# Altium PCB VOU_SOM_CV_V0.0.1.PcbDoc (part 1 of 5) (continued)
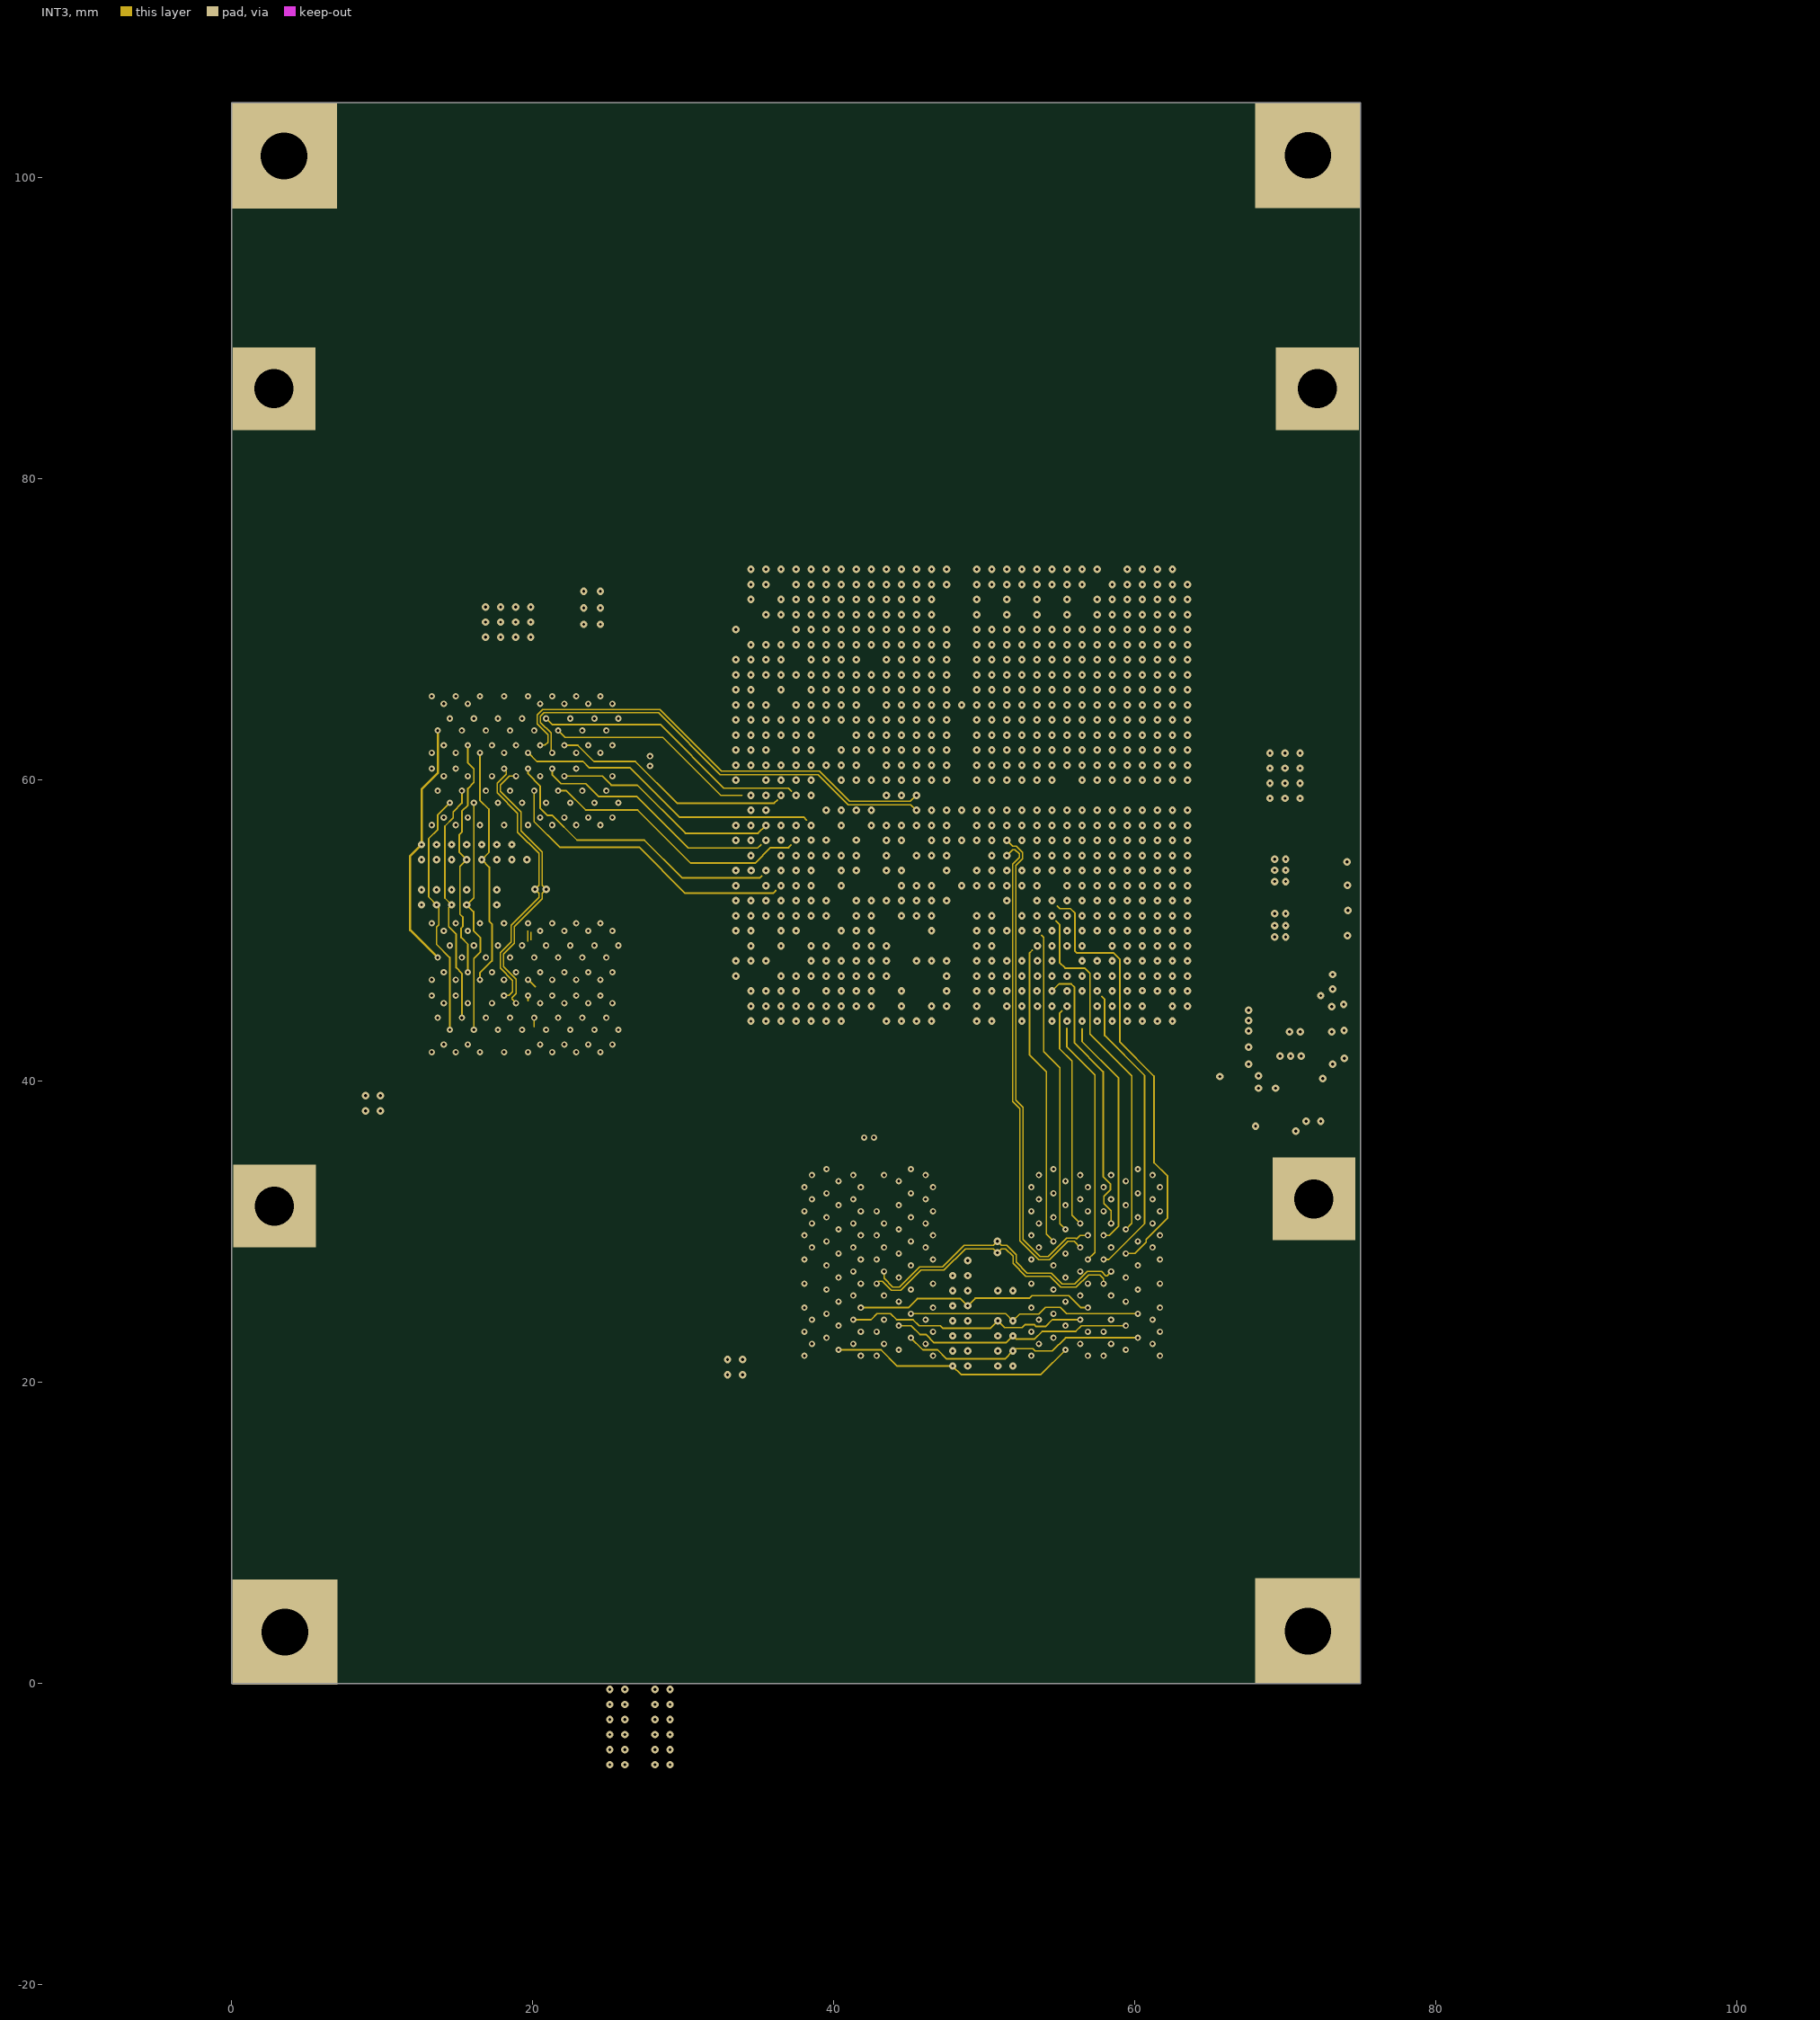
[diagram p4: INT3]
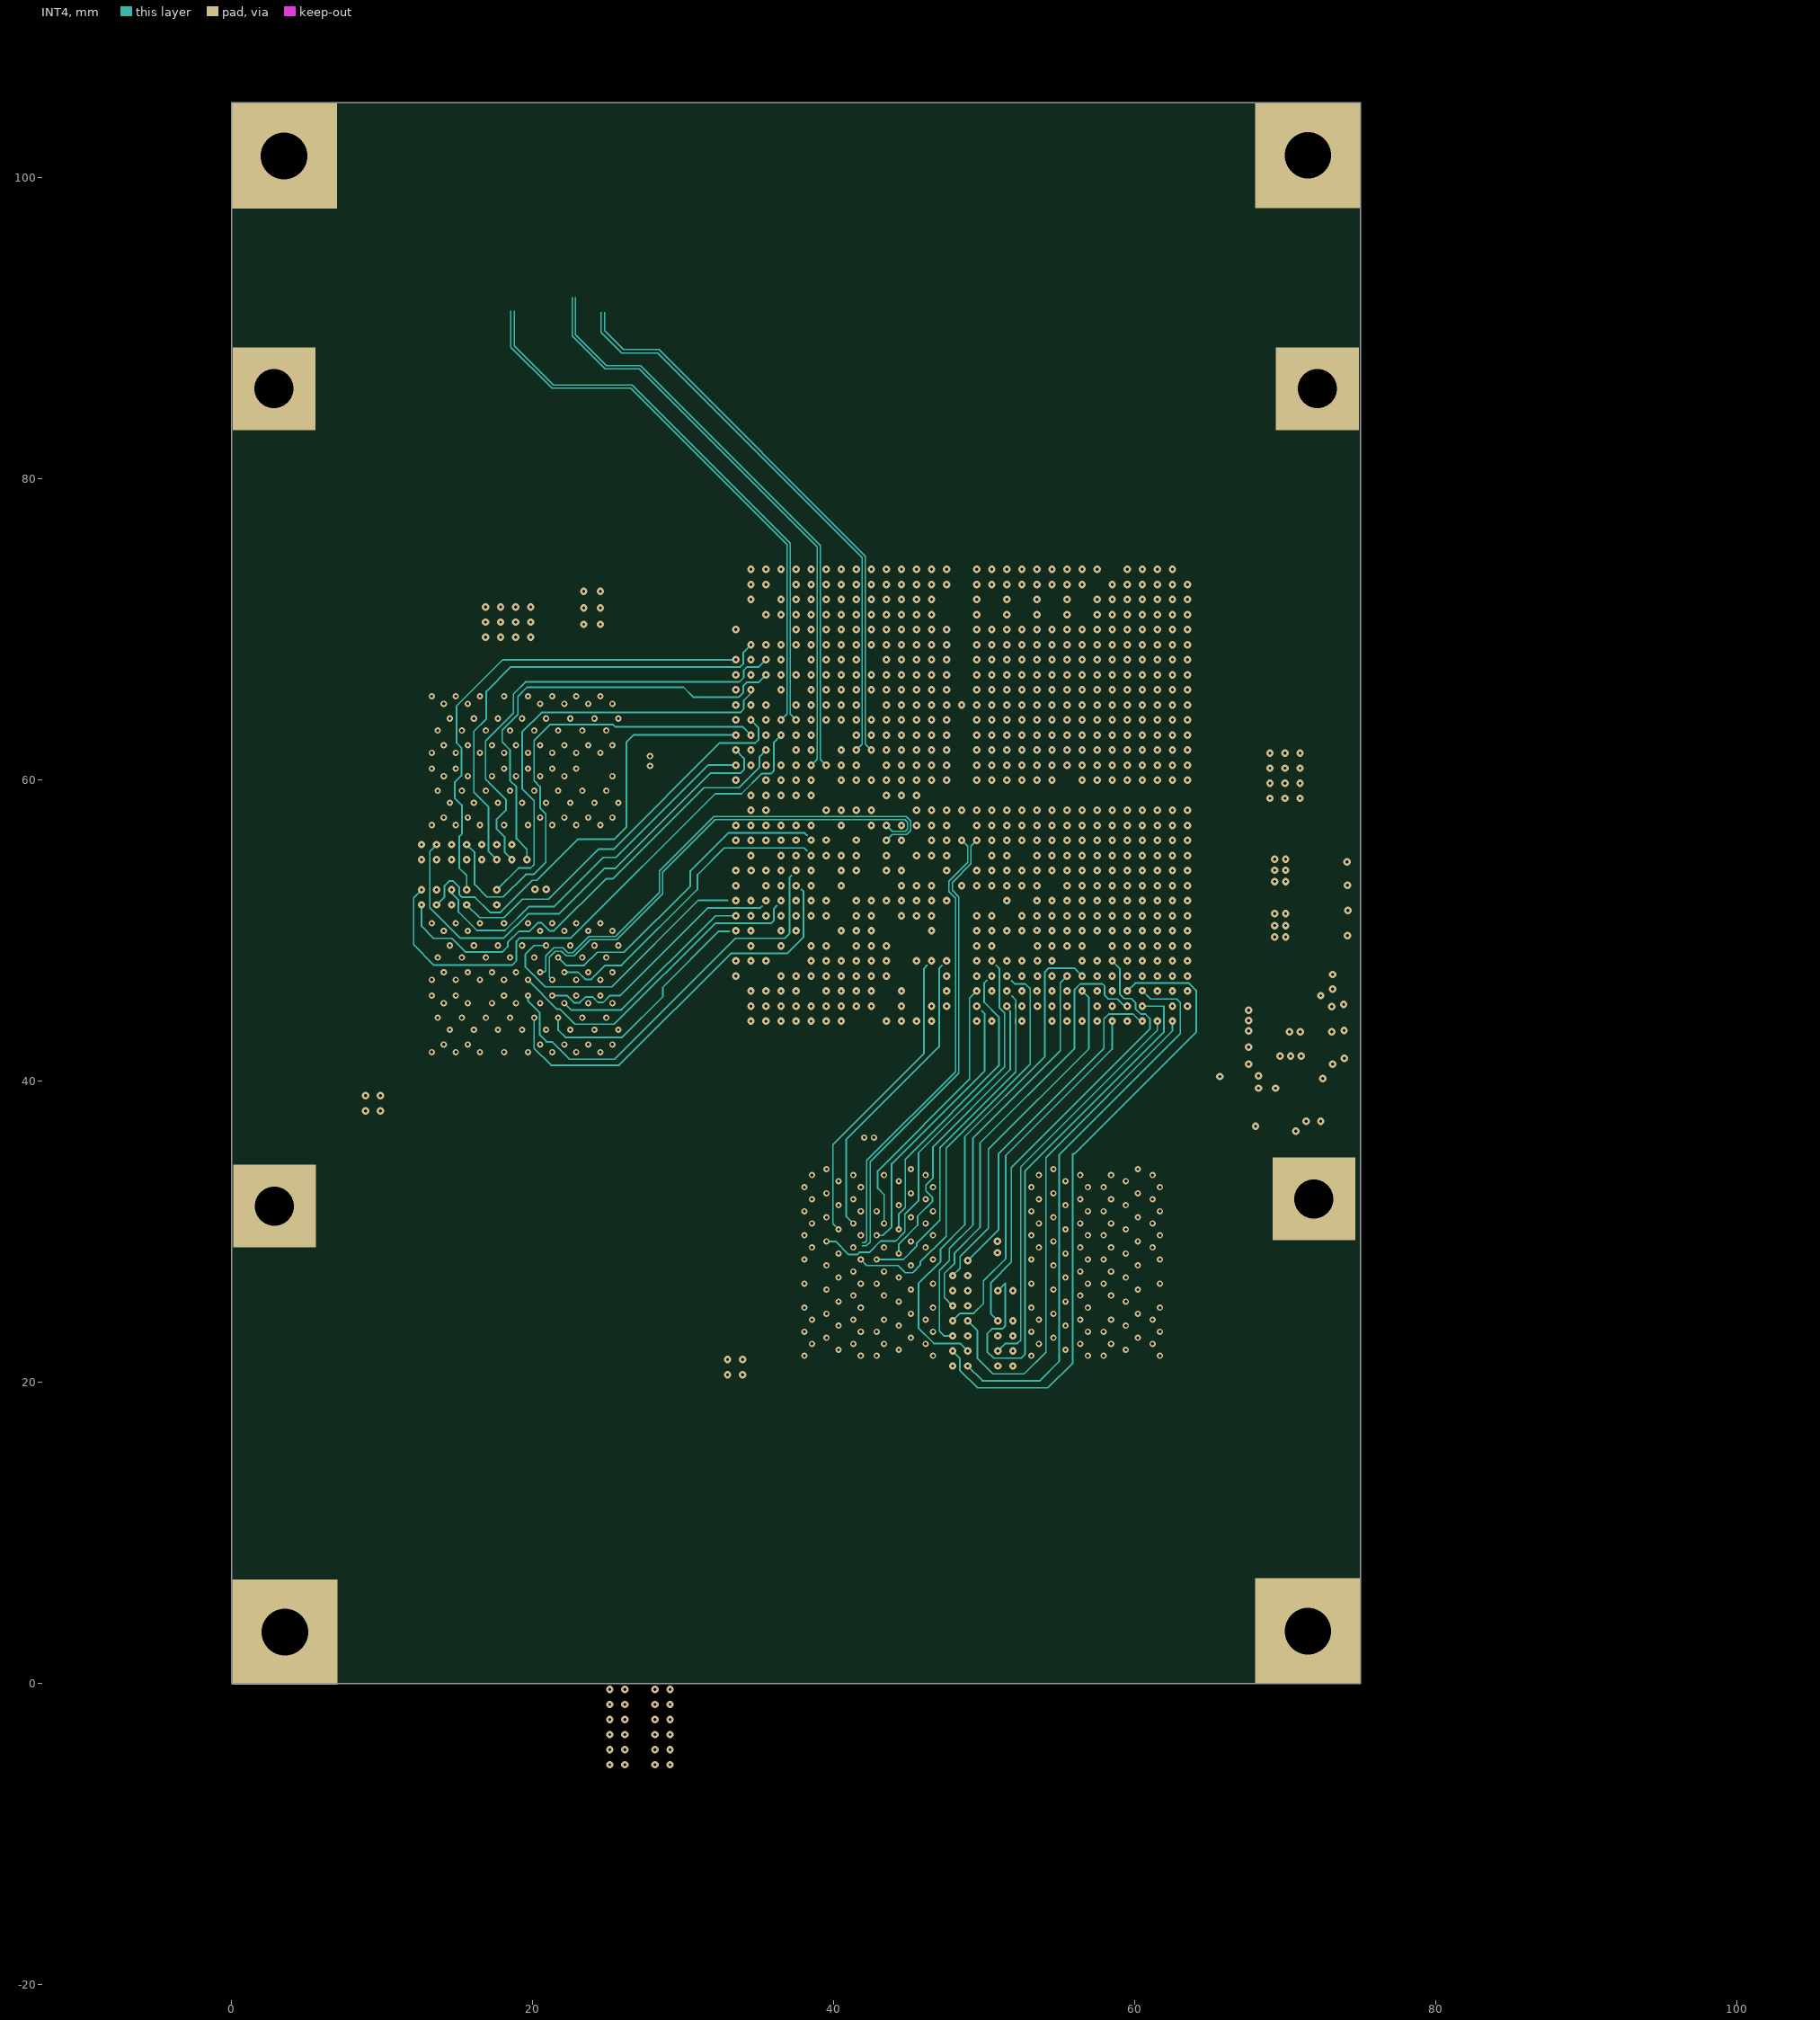
[diagram p5: INT4]
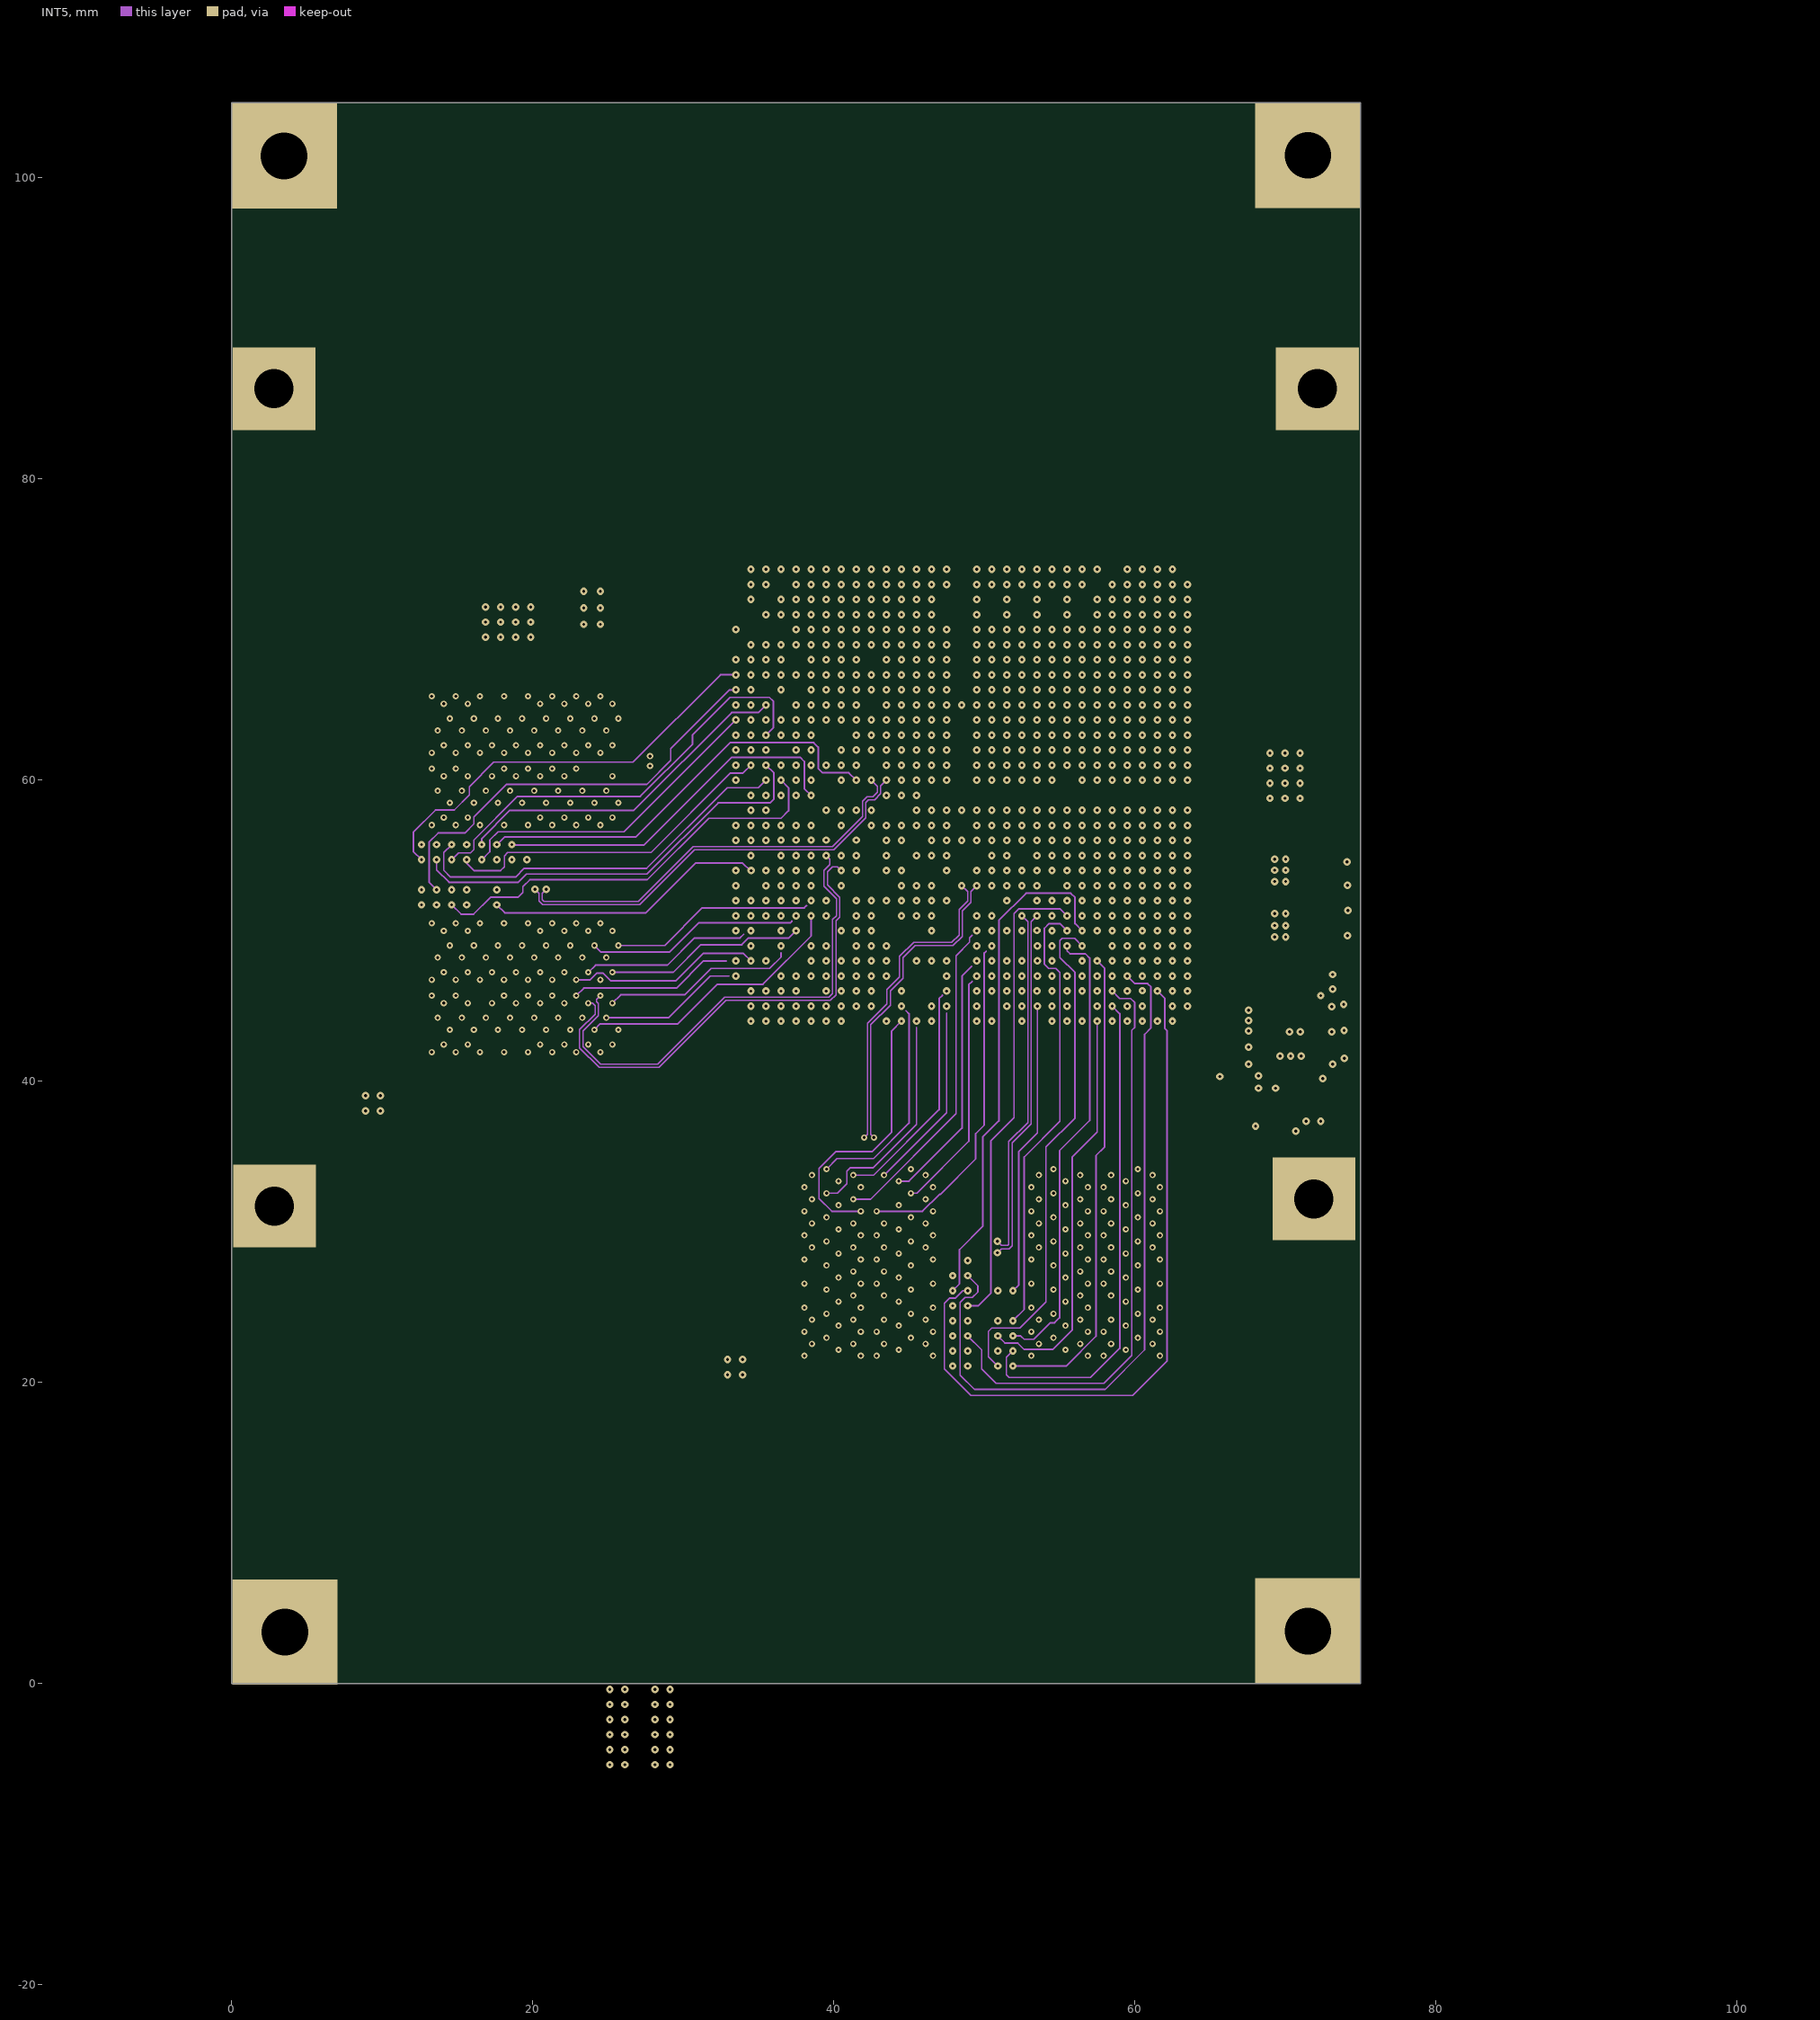
[diagram p6: INT5]

## Layer stack, top to bottom
Top Solder: solder mask 0.012, Solder Resist, Dk 3.5
Top Layer: signal copper 0.03
Dielectric 1: prepreg 0.12, FR-4, Dk 4.2
PWR1: signal copper 0.017
Dielectric 2: core 0.1, Dk 4.1
INT1: signal copper 0.017
Dielectric 3: prepreg 0.12, Dk 4.2
INT2: signal copper 0.017
Dielectric 4: core 0.1, Dk 4.1
INT3: signal copper 0.017
Dielectric 7: prepreg 0.127, Dk 4.2
INT4: signal copper 0.036
Dielectric 8: prepreg 0.127, Dk 4.2
INT5: signal copper 0.036
Dielectric 5: core 0.254, Dk 4.2
PWR2: signal copper 0.036
Dielectric 6: prepreg 0.127, Dk 4.2
Bottom Layer: signal copper 0.0356
Bottom Solder: solder mask 0.0102, Solder Resist, Dk 3.5

## Board outline
0,0 0,105 75,105 75,0

## Design rules (kind name [scope] priority, off if disabled: settings)
Clearance [All] p1: gap=0.11
ComponentClearance [All] p1: gap=0.39 collisioncheckmode=3 verticalgap=0.5 showdistances=FALSE
DiffPairsRouting [All] p1: maxlimit=0.23 minlimit=0.14 mostfreqgap=0.14 toplayer_mingap=0.23 toplayer_prefgap=0.23 toplayer_minwidth=0.1 toplayer_maxwidth=0.1 toplayer_prefwidth=0.1 midlayer1_maxgap=0.14 midlayer1_minwidth=0.08 midlayer1_maxwidth=0.08 midlayer1_prefwidth=0.08 midlayer2_maxgap=0.14 midlayer2_minwidth=0.08 midlayer2_maxwidth=0.08 midlayer2_prefwidth=0.08 midlayer3_maxgap=0.14 midlayer3_minwidth=0.08 midlayer3_maxwidth=0.08 midlayer3_prefwidth=0.08 midlayer4_maxgap=0.14 midlayer4_minwidth=0.08 midlayer4_maxwidth=0.08 midlayer4_prefwidth=0.08 midlayer5_maxgap=0.14 midlayer5_minwidth=0.08 midlayer5_maxwidth=0.08 midlayer5_prefwidth=0.08 midlayer6_maxgap=0.14 midlayer6_minwidth=0.08 midlayer6_maxwidth=0.08 midlayer6_prefwidth=0.08 midlayer7_maxgap=0.14 midlayer7_minwidth=0.08 midlayer7_maxwidth=0.08 midlayer7_prefwidth=0.08 bottomlayer_mingap=0.23 bottomlayer_prefgap=0.23 bottomlayer_minwidth=0.1 bottomlayer_maxwidth=0.1 bottomlayer_prefwidth=0.1 maxuncoupledlength=12.7
HoleSize [All] p1: absolutevalues=TRUE maxlimit=3.6 minlimit=0.2 maxpercent=80.000 minpercent=20.000
HoleToHoleClearance [All] p1: gap=0.4 allowstackedmicrovias=TRUE
MinimumSolderMaskSliver [All] p1: minsoldermaskwidth=0.1
PolygonConnect [All] p1: connectstyle=Direct reliefconductorwidth=0.254 reliefentries=4 polygonreliefangle="90 Angle" airgapwidth=0.254
RoutingVias [All] p1: holewidth=0.2 width=0.5 viastyle="Through Hole" minholewidth=0.2 minwidth=0.42 maxholewidth=0.3 maxwidth=0.6
SilkToSilkClearance [All] p1: silktosilkclearance=0.15
SilkToSolderMaskClearance [IsPad] p1: minsilkscreentomaskgap=0.06 clearancetoexposedcopper=TRUE
SolderMaskExpansion [All] p1: expansion=0.05
Width Width_50 [InNetClass('CLK') Or InNetClass('DDR_A_FPGA') Or InNetClass('DDR_A_HPS') Or InNetClass('DDR_D1_FPGA') Or InNetClass('DDR_D1_HPS')  Or InNetClass('DDR_D2_FPGA') Or InNetClass('DDR_D2_HPS')] p1: maxlimit=0.15 minlimit=0.11 preferedwidth=0.11 toplayer_minwidth=0.15 toplayer_prefwidth=0.15 midlayer1_maxwidth=0.11 midlayer2_maxwidth=0.11 midlayer3_maxwidth=0.11 midlayer4_maxwidth=0.11 midlayer5_maxwidth=0.11 midlayer6_maxwidth=0.11 midlayer7_maxwidth=0.11 bottomlayer_minwidth=0.15 bottomlayer_prefwidth=0.15 minimp=50.000000 maximp=50.000000 favimp=50.000000
Width Width_PWR [InNetClass('PWR')] p2: maxlimit=0.4 minlimit=0.2 preferedwidth=0.25
Width Width_ALL [All] p3: maxlimit=0.25 minlimit=0.15 preferedwidth=0.2
23 further rules are at their usual default settings.
